# Altium PCB BusAdaptor - 副本.PcbDoc (continued)
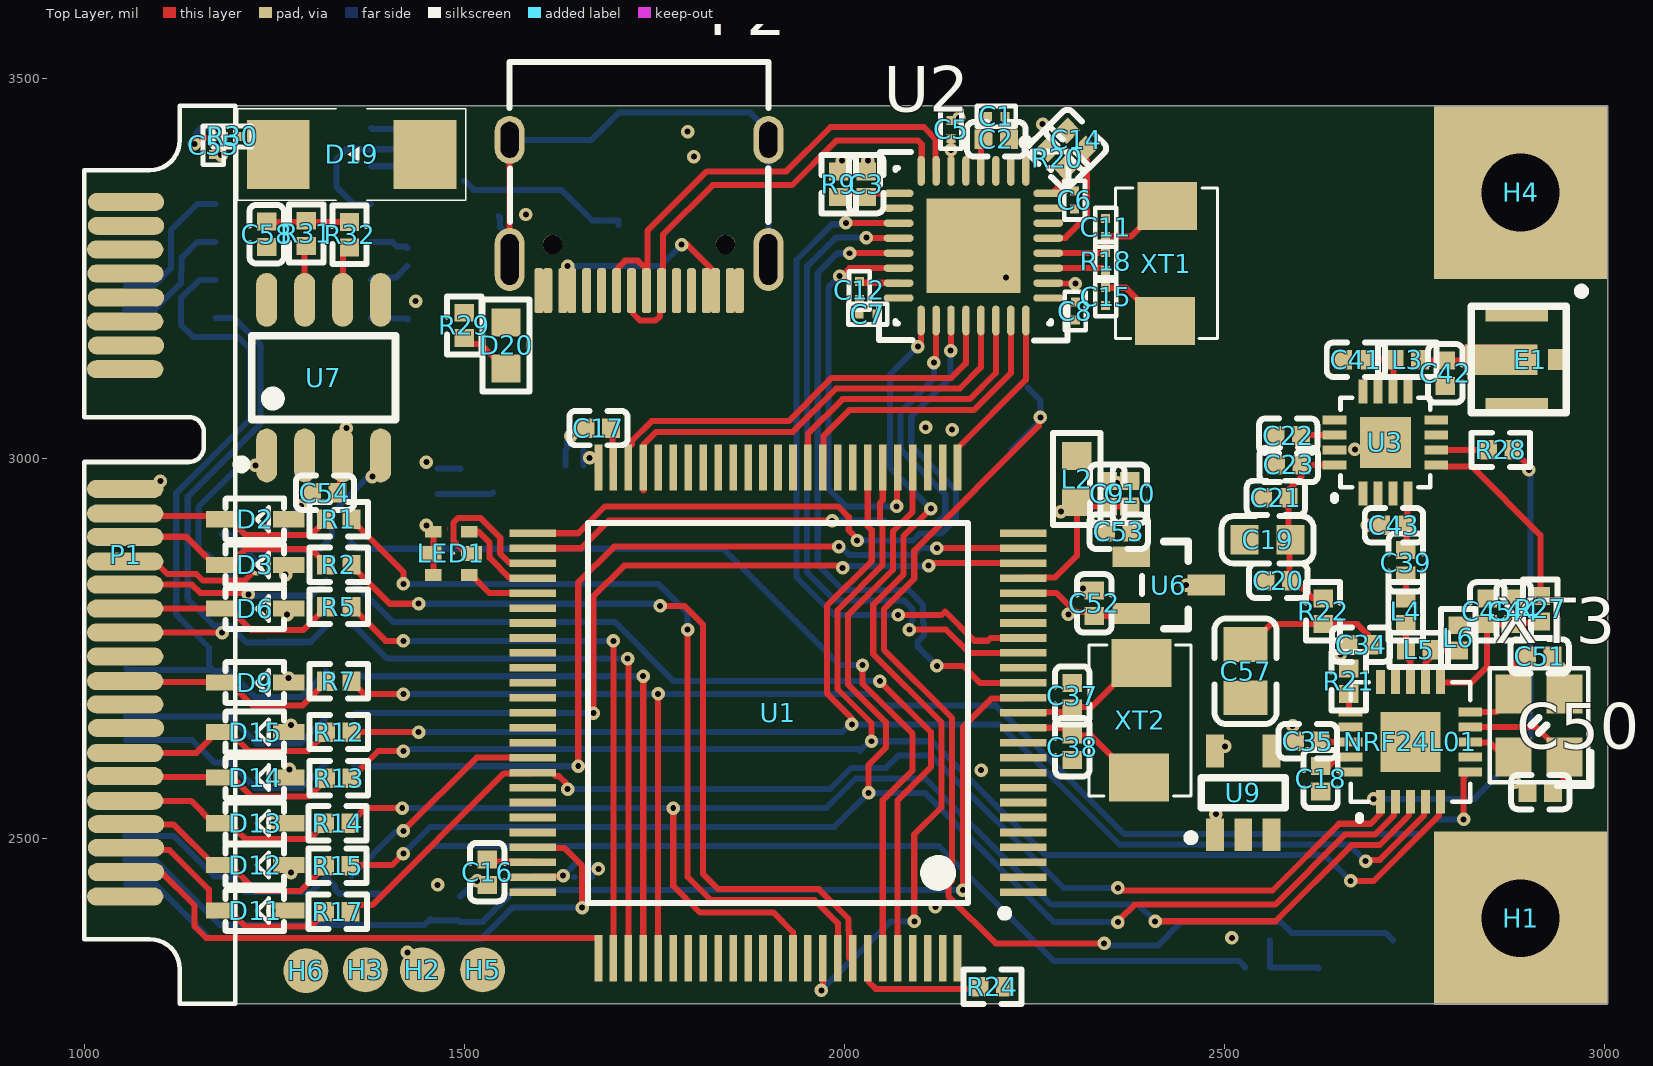
[diagram p0: Top Layer view]
## Footprints (in the part's own frame and the unit in brackets; to place one, negate y for a bottom-side part, rotate by r counter-clockwise, add the part's x,y. Pads: shape width x height; smd on the part's side, far side on the other; paste and mask are expansions set on the pad) (continued)
SMB [mm]
  rect 2.1x2.3 smd: 1(-2.45,0) 2(2.45,0)
  Top Layer region: -0.254,-0.254 -0.127,-0.254 -0.254,-0.254
  Top Layer pour cut-out: 1.524,2.159
  silkscreen extent -3.81,-1.52 3.81,1.52, body extent -2.8,-2 2.8,2, height 0.25
SOD323 [mm]
  rect 1.06x0.54 smd: 1(-1.118,0) 2(1.118,0)
  silkscreen extent -0.97,-0.69 0.99,0.69, body extent -1.35,-0.62 1.35,0.64, height 1.1
SOD-123FL [mm] "SODFL, 2-Leads, Body 1.80x3.70mm, IPC Medium Density"
  rect 1.25x1.2 smd: 1(-1.525,0) 2(1.525,0)
  silkscreen extent -2.1,-0.41 -0.18,0.95, body extent -1.45,-0.95 1.45,0.95, height 1.1
SOIC-8_150mil [mm]
  oval 0.7x1.8 smd: 1(-1.905,-2.6) 2(-0.635,-2.6) 3(0.635,-2.6) 4(1.905,-2.6) 5(1.905,2.6) 6(0.635,2.6) 7(-0.635,2.6) 8(-1.905,2.6)
  silkscreen extent -2.9,-3.05 2.4,1.4
SOIC-16_150mil [mm]
  oval 0.6x1.8 smd: 1(-4.445,-2.6) 2(-3.175,-2.6) 3(-1.905,-2.6) 4(-0.635,-2.6) 5(0.635,-2.6) 6(1.905,-2.6) 7(3.175,-2.6) 8(4.445,-2.6) 9(4.445,2.6) 10(3.175,2.6) 11(1.905,2.6) 12(0.635,2.6) 13(-0.635,2.6) 14(-1.905,2.6) 15(-3.175,2.6) 16(-4.445,2.6)
  silkscreen extent -5.4,-3.05 4.97,1.4
SOT-23(SOT-23-3) [mm]
  rect 1.25x0.7 smd: 1(1.25,-0.95) 2(1.25,0.95) 3(-1.25,0)
  silkscreen extent -0.65,-1.46 0.9,1.46, body extent -1.5,-1.5 1.5,1.5, height 1.3
SOT-23-5 [mm]
  rect 1.1x0.6 smd: 1(1.4,-0.95) 2(1.4,0) 3(1.4,0.95) 4(-1.4,0.95) 5(-1.4,-0.95)
  silkscreen extent -0.5,-1.87 1.62,1.4
TESTPOINT [mm]
  round 1.5 smd: 1(0,0)
TQFP-100 [mm]
  rect 1.55x0.254 smd: 1(-8.2,6) 2(-8.2,5.5) 3(-8.2,5) 4(-8.2,4.5) 5(-8.2,4) 6(-8.2,3.5) 7(-8.2,3) 8(-8.2,2.5) 9(-8.2,2) 10(-8.2,1.5) 11(-8.2,1) 12(-8.2,0.5) 13(-8.2,0) 14(-8.2,-0.5) 15(-8.2,-1) 16(-8.2,-1.5) 17(-8.2,-2) 18(-8.2,-2.5) 19(-8.2,-3) 20(-8.2,-3.5) 21(-8.2,-4) 22(-8.2,-4.5) 23(-8.2,-5) 24(-8.2,-5.5) 25(-8.2,-6) 51(8.2,-6) 52(8.2,-5.5) 53(8.2,-5) 54(8.2,-4.5) 55(8.2,-4) 56(8.2,-3.5) 57(8.2,-3) 58(8.2,-2.5) 59(8.2,-2) 60(8.2,-1.5) 61(8.2,-1) 62(8.2,-0.5) 63(8.2,0) 64(8.2,0.5) 65(8.2,1) 66(8.2,1.5) 67(8.2,2) 68(8.2,2.5) 69(8.2,3) 70(8.2,3.5) 71(8.2,4) 72(8.2,4.5) 73(8.2,5) 74(8.2,5.5) 75(8.2,6)
  rect 0.254x1.55 smd: 26(-6,-8.2) 27(-5.5,-8.2) 28(-5,-8.2) 29(-4.5,-8.2) 30(-4,-8.2) 31(-3.5,-8.2) 32(-3,-8.2) 33(-2.5,-8.2) 34(-2,-8.2) 35(-1.5,-8.2) 36(-1,-8.2) 37(-0.5,-8.2) 38(0,-8.2) 39(0.5,-8.2) 40(1,-8.2) 41(1.5,-8.2) 42(2,-8.2) 43(2.5,-8.2) 44(3,-8.2) 45(3.5,-8.2) 46(4,-8.2) 47(4.5,-8.2) 48(5,-8.2) 49(5.5,-8.2) 50(6,-8.2) 76(6,8.2) 77(5.5,8.2) 78(5,8.2) 79(4.5,8.2) 80(4,8.2) 81(3.5,8.2) 82(3,8.2) 83(2.5,8.2) 84(2,8.2) 85(1.5,8.2) 86(1,8.2) 87(0.5,8.2) 88(0,8.2) 89(-0.5,8.2) 90(-1,8.2) 91(-1.5,8.2) 92(-2,8.2) 93(-2.5,8.2) 94(-3,8.2) 95(-3.5,8.2) 96(-4,8.2) 97(-4.5,8.2) 98(-5,8.2) 99(-5.5,8.2) 100(-6,8.2)
  silkscreen extent -7.7,-6.35 6.35,6.82, body extent -7.92,-7.98 8.08,8.02, height 1.6
TYPE-C-TOP [mm]
  oval 1.6x1 hole 0.6 slot 1.2 at 0 deg: 1(2.52,4.325) 2(2.52,-4.325)
  oval 2.1x1 hole 0.6 slot 1.7 at 0 deg: 3(-1.48,-4.325) 4(-1.48,4.325)
  rrect50% 1.5x0.3 smd: A1(-2.52,-3.35) A4(-2.52,-2.55) A5(-2.52,-1.25) A6(-2.52,-0.25) A7(-2.52,0.25) A8(-2.52,1.25) A9(-2.52,2.55) A12(-2.52,3.35) B1(-2.52,3.05) B4(-2.52,2.25) B5(-2.52,1.75) B6(-2.52,0.75) B7(-2.52,-0.75) B8(-2.52,-1.75) B9(-2.52,-2.25) B12(-2.52,-3.05)
  round 0.65 hole 0.65: ""(-0.98,2.89) ""(-0.98,-2.89)
  silkscreen extent -0.22,-4.33 5.12,4.33, body extent -2.64,-4.48 5.26,4.46, height 3.28

## Part data
Buzzer1: "无源蜂鸣器"
C1 C2 C3 C4 C5 C6 C7 C8 C9 C10 C11 C12 C13 C14 C15 C16 C17 C18 C19 C20 C21 C22 C23 C24 C25 C26 C27 C28 C29 C30 C31 C32 C33 C34 C35 C36 C37 C38 C39 C40 C41 C42 C43 C44 C45 C46 C47 C48 C49 C50 C51 C52 C53 C54 C55 C56 C57 C58 C59 C60 C61: library part C
D1 D19: library part TVS, "BV03CW"
D2 D3 D4 D5 D6 D7 D8 D9 D10 D11 D12 D13 D14 D15 D16 D17: library part TVS
D18: library part Diode, "二极管", Package=SMA(DO-214AC), SuppliersPartNumber=C95872, ComponentLink1Description=供应商, ComponentLink1URL=http://www.szlcsc.com/product/details_2841.html, Supplier=LC, 备注="1N4007 4007 编号C2464 已经停售, 使用新"
E1: "Generic Antenna", LatestRevisionDate=17-Jul-2002, LatestRevisionNote="Re-released for DXP Platform.", PackageReference=PIN1, Published=24-Mar-1999, Publisher="Altium Limited"
F1: library part FUSE, "FUSE"
H1 H4: library part MECHANICAL
H2 H3 H5 H6: library part TEST_POINT
L1 L2 L3 L4 L5 L6: library part L
LED1: library part "LED-RGB 3528", "3528三基色LED"
P2: library part USB_C
R1 R2 R3 R4 R5 R6 R7 R8 R9 R10 R11 R12 R13 R14 R15 R16 R17 R18 R19 R20 R21 R22 R23 R24 R25 R26 R27 R28 R29 R30 R31 R32: library part R, "resistor"
T1: library part Triode, "NPN"
U1: "ARM Cortex-M4 32b MCU+FPU, 1024 kB Flash, 192+4 kB RAM,82 I/Os, 100-pin LQFP", Operating Frequency (Processor Speed)=168MHz, 16-bit Timers (IC/OC/PWM)=12x16-bit(24/24/30), 32-bit Timer (IC/OC/PWM)="2x32-bit (8/8/8)", A/D Converter=16x12-bit, ComponentLink1Description="Manufacturer URL", ComponentLink1URL=http://www.st.com/, ComponentLink2Description="STM32F405/7 Datasheet", ComponentLink2URL=http://www.st.com/internet/com/TECHNICAL_RESOURCES/TECHNICAL_LITERATURE/DATASHEET/DM00037051.pdf, ComponentLink3Description="STM32F4 Web Page", ComponentLink3URL=http://www.st.com/internet/mcu/subclass/1521.jsp, D/A Converter=2x12-bit, DatasheetVersion="rev2, Jan-2012", Internal RAM=192kB, Other Timer Functions="2xWDG, RTC, 24-bit down counter", PackageDescription="100-Pin Low Profile Quad Flat Package, 14x14 mm Body, 0.5 mm Pitch", PackageReference=LQFP100, PackageVersion=2012, Serial Interface="3xSPI/2xI2S/2xI2C/3xUSART(IrDa, ISO7816)/3xUART/2xUSB OTG FS/HS, 2xCAN/Ethernet MAC10/100, SDIO"
U2: library part USB3300, "高速USB外置PHY"
U5: library part ME6211
U6: "REF3033电压参考源"
U8: library part RS3232
XT1 XT2: library part XTAL, "晶振"
XT3: library part XTAL-4P, "4脚无源晶振"

## Via types
v1: diameter 17.72, hole 7.87, Top Layer to Bottom Layer, 114 vias

## Nets (pads, with @x,y where several pads share a name; then routed paths per layer and width w, separated by ;. In a path a pad name is that pad's centre, name@x,y a point inside that pad or via, vN(x,y) a via of type N, cw(c..) or ccw(c..) an arc to the next point about the centre after c; other vN are vias at no path point)
3.3V: Buzzer1.1 C3.2 C5.2 C6.2 C7.2 C8.2 C24.2 C25.2 C26.2 C27.2 C28.2 C29.2 C30.2 C31.2 C32.2 C33.2 C36.2 C46.2 C47.2 C54.1 D18.2 D19.2 H2.1 L2.2 LED1.2 LED1.4 LED1.6 P1.3 P1.4 P1.51 R26.1 R30.2 U1.6 U1.11 U1.19 U1.28 U1.50 U1.75 U1.100 U2.6 U2.16 U2.25 U2.30 U2.31 U5.5 U7.3 | length 265.2
  Top Layer w8: C54.1 1336.73,2958.27 1336.73,3000.71 U7.3 ; LED1.6 LED1.2 ; U1.50@1675.61,2991.94 1676.61,2990.94 U1.50 ; U2.6 C5.2
  Bottom Layer w8: C46.2 1535.98,2953.27 U5.5 ; C29.2 C28.2 ; C24.2 C25.2
  other v1: 1425,2350 1465,2438.97 1676.46,2460 1450,2912 1665,3000.71 1345,3040 2107,3041 2030.94,3392 2140.47,3406
3.3VA: C9.1 C10.1 L2.1 U1.22 | length 225.5
  Top Layer w8: U1.22 2236.67,2843.48 2277.48,2843.48 2306,2872 L2.1 2311.74,2936.86 C9.1 C10.1
  other v1: 2285,2930
3.3VPA: C19.2 C20.2 C21.2 C22.2 C23.2 R22.1 U3.14 U3.16 | length 363.6
  Top Layer w8: C19.2 2585.72,2894.6 2584.73,2894.6 C21.2 2584.73,2948.98 2586.24,2950.49 2586.24,2960.24 2601.73,2975.73 C23.2 ; R22.1 2617.27,2815.46 C20.2@2594.22,2838.51 ; U3.16 C23.2 ; U3.14 2602.57,3030.84 2601.27,3029.53 2601.27,2991.94 C23.2 ; C20.2@2594.22,2838.51 2585.72,2847.02 2585.72,2877.58 2586.04,2847.08 2590.94,2842.28 2594.22,2839.07 C20.2@2594.22,2838.51
3.3VREF: C52.2 U1.21 U6.2 | length 156
  Top Layer w8: U1.21 2279.47,2822.8 2304.2,2798.06 2323.48,2798.06 C52.2 2374.46,2792.54 U6.2
  other v1: 2295,2794.81
3.3VRF: C34.2 C35.2 C57.2 NRF24L01.7 NRF24L01.15 NRF24L01.18 R22.2 U9.5 | length 243.9
  Top Layer w8: C57.2 2534.1,2755.04 2561.06,2782 R22.2 2630,2788.97 2636.97,2782 2675.02,2782 2688.92,2768.09 2688.92,2762.81 C34.2 ; C35.2 2627.59,2627 NRF24L01.18
  other v1: 2501,2621
5V: C1.1 C2.1 C48.2 C49.2 C53.2 D1.2 D20.2 L1.1 P1.1 P1.2 U2.4 U5.1 U5.3 U6.1 U9.1 U9.3 | length 75
  Top Layer w8: U2.4 2179.84,3441.65 C1.1
  other v1: 2489,2532
232RX: P1.10 U8.13 | length 174.9
  Bottom Layer w8: P1.10 1093.01,3196.13 1127.2,3230.33 1127.2,3244.03 1128.04,3244.87 1128.04,3264.03 1149.02,3285 U8.13
232TX: P1.8 U8.14 | length 191.5
  Bottom Layer w8: P1.8 1091.31,3227.35 1114.04,3250.09 1114.04,3300.03 1149.02,3335 U8.14
GND: C1.2 C2.2 C4.1 C5.1 C6.1 C7.1 C8.1 C9.2 C10.2 C11.1 C12.1 C13.1 C14.1 C15.1 C16.1 C17.1 C18.2 C19.1 C20.1 C21.1 C22.1 C23.1 C24.1 C25.1 C26.1 C27.1 C28.1 C29.1 C30.1 C31.1 C32.1 C33.1 C34.1 C35.1 C36.1 C37.1 C38.1 C40.1 C41.1 C42.1 C43.1 C44.1 C45.1 C46.1 C47.1 C48.1 C49.1 C50.1 C51.1 C52.1 C53.1 C54.2 C55.2 C56.2 C57.1 C58.1 C59.2 D1.1 D2.1 D3.1 D4.1 D5.1 D6.1 D7.1 D8.1 D9.1 D10.1 D11.1 D12.1 D13.1 D14.1 D15.1 D16.1 D17.1 D19.1 E1.2 H5.1 NRF24L01.0 NRF24L01.8 NRF24L01.14 NRF24L01.17 NRF24L01.20 P1.5 P1.6 P1.17 P2.A1 P2.A12 P2.B1 P2.B12 R9.2 R16.1 R20.1 R21.2 R24.1 R25.2 R29.1 T1.2 U1.10 U1.20 U1.27 U1.74 U1.99 U2.0 U2.1 U2.2 U3.0 U3.1 U3.2 U3.3 U3.7 U3.8 U3.9 U3.11 U3.12 U3.15 U5.2 U6.3 U7.2 U7.8 U8.15 U9.2 XT3.2 XT3.4 | length 572.7
  Top Layer w8: U7.2 1293.74,3000.23 1293.74,2961.26 C54.2 ; U1.74 1591,2449.78 1628.8,2449.78 v1(1630,2450.98) ; C1.2 2213.72,3448.09 2213.72,3423.02 C2.2 ; C53.1 C53.1@2350.69,2909.97 ; v1(2590,2648) 2591.63,2646.37 2591.63,2629.49 C35.1 ; v1(2653,2742) 2653,2743.75 2663.27,2754.02 C34.1 ; NRF24L01.8 2824.29,2626.47 2849.47,2626.47 XT3.4@2868.55,2607.39 ; v1(2882,2574) v1@2882,2578.29 ; C50.1 v1@2882,2578.29 ; C51.1 2931.73,2738.45 2941.14,2729.04 2941.14,2724.86 v1(2943,2723) 2943,2694.6 XT3.2 ; XT3.4@2868.55,2607.39 XT3.4@2880.6,2595.34 ; XT3.4@2868.55,2607.39 XT3.4 ; XT3.4@2880.6,2595.34 XT3.4 ; XT3.4@2880.6,2595.34 2880.6,2579.69 v1@2882,2578.29 ; XT3.4@2880.6,2595.34 XT3.4@2882,2593.94 ; XT3.4 2882,2606 XT3.4@2882,2593.94 ; v1@2882,2578.29 XT3.4@2882,2593.94
  Bottom Layer w8: D4.1 1265,2904 1265,2917.73 v1(1285,2937.73) ; C46.1 1465.13,2986.61 1494.87,2986.61 C47.1 ; C40.1 1495.28,2423.73 1515.55,2444 v1(1517,2444) ; v1(1630,2450.98) 1630.49,2450.98 C25.1 ; C29.1 C28.1 1635.09,3013.11 1635.09,3022 1640,3026.9 v1(1640,3029.53) ; C24.1 C24.1@1644.76,2449.02
  other v1: 2510,2369 1248,2405 2119.94,2410 1272,2455 1248,2520.98 2180,2590 1270,2591 1272,2649 1269,2711 1267,2794.41 2314,2829 2450,2833.18 1265,2847.16 2687.86,2912 2359,2968 1100,2970 1450,2995 2672,3012 2142,3038 1436,3207 2213,3237.99 1581,3321 1997.28,3392 1802,3397 1180,3399 1794,3430 2261,3440 2151,3448
LED_B: LED1.5 U1.55 | length 93.2
  Top Layer w8: LED1.5 1509.57,2846.46 1533.24,2822.8 U1.55
LED_G: LED1.3 U1.53 | length 198
  Top Layer w8: LED1.3 1502.32,2875 1485.8,2891.53 1485.8,2915.56 1491.65,2921.42 1521.59,2921.42 1547.35,2895.65 1547.35,2874.84 1560.03,2862.16 U1.53
LED_R: LED1.1 U1.54 | length 120.4
  Top Layer w8: LED1.1 1518.8,2903.54 1533.35,2888.98 1533.35,2869.04 1559.92,2842.48 U1.54
NetBuzzer1_2: Buzzer1.2 D18.1 T1.3 | length 1485.9
  Top Layer w8: v1(2258,3054) 2256.14,3052.14 2256.14,3042.81 2092.14,2878.81 2092.14,2841.81 2052.14,2801.81 2052.14,2748.33 2142,2658.47 2142,2444.67 2137.14,2439.81 2137.14,2424.19 2199.33,2362 v1(2342,2362)
  Bottom Layer w8: D18.1 2220.94,3012 2256.14,3047.2 2256.14,3052.14 v1(2258,3054) 2258,3076.64 Buzzer1.2 ; v1@2348,2359 2412.25,2359 2443.05,2389.8 2574.69,2389.8 2588.7,2375.78 2712.43,2375.78 T1.3
NetC3_1: C3.1 R9.1 U2.9 | length 80.5
  Top Layer w8: R9.1 1997.28,3348.55 2071.22,3348.55 U2.9
NetC4_2: C4.2 P2.1 P2.2 P2.3 P2.4 R16.2 | length 755.7
  Top Layer w8: P2.4 P2.1
  Bottom Layer w8: R16.2 1547.09,3317.09 1547.09,3304.5 1559.72,3291.87 P2.4 ; P2.1 1667.61,3419.21 1703.84,3455.43 1875.87,3455.43 1900.28,3431.02 P2.2 P2.3
NetC11_2: C11.2 R18.2 U2.28 XT1.2 | length 194.6
  Top Layer w8: U2.28 2268.78,3270.51 2343.35,3270.51 R18.2 C11.2 2377.5,3292.38 2417.13,3332 XT1.2
NetC12_2: C12.2 U2.15 | length 52.4
  Top Layer w8: C12.2 2021.67,3231.14 2071.22,3231.14 U2.15
NetC13_2: C13.2 U2.26 | length 83.6
  Top Layer w8: U2.26 2268.78,3230.43 2303.77,3230.43 v1(2304.2,3230)
  Bottom Layer w8: C13.2 v1(2304.2,3230)
NetC14_2: C14.2 U2.29 | length 153.1
  Top Layer w8: U2.29 2268.78,3290.2 2290.96,3290.2 2319.23,3318.47 2319.23,3392.54 2316.14,3395.64 2316.14,3406.69 C14.2
NetC15_2: C15.2 R18.1 U2.27 XT1.1 | length 195.8
  Top Layer w8: U2.27 2341.06,3250.47 R18.1 C15.2 2370.5,3224.62 2414.13,3181 XT1.1
NetC16_2: C16.2 U1.73 | length 61.6
  Top Layer w8: C16.2 1532.97,2469.46 1589,2469.46 U1.73
NetC17_2: C17.2 U1.49 | length 53.1
  Top Layer w8: C17.2 1695.3,3038.05 1695.3,2989.15 U1.49
NetC18_1: C18.1 NRF24L01.19 | length 44.7
  Top Layer w8: C18.1 2637.86,2595 2648.27,2605.41 2664.38,2605.41 NRF24L01.19
NetC37_2: C37.2 U1.13 XT2.1 | length 182.5
  Top Layer w8: U1.13 2236.67,2666.32 2295.05,2666.32 2301.4,2672.67 2324.8,2672.67 2383.13,2731 XT2.1
NetC38_2: C38.2 U1.12 XT2.2 | length 179.5
  Top Layer w8: U1.12 2290.12,2645.63 2299.02,2636.73 C38.2 2301.4,2635.33 2324.8,2635.33 2380.13,2580 XT2.2
NetC39_1: C39.1 C43.2 U3.4 | length 75.4
  Top Layer w8: C39.1 2740.02,2880.73 C43.2 2740.79,2912.76 2740.79,2953.31 U3.4
NetC39_2: C39.2 L4.2 | length 30.8
  Top Layer w8: L4.2 C39.2
NetC41_2: C41.2 L3.1 U3.10 | length 74.8
  Top Layer w8: C41.2 2721.87,3130 2722.95,3128.92 2722.95,3089.01 U3.10
NetC42_2: C42.2 E1.1 L3.2 | length 108.6
  Top Layer w8: L3.2 2758.76,3128.73 C42.2 2863.73,3128.73 E1.1
NetC44_2: C44.2 C45.2 L6.2 NRF24L01.11 R27.2 | length 236.6
  Top Layer w8: NRF24L01.11 2785.13,2705 2825,2705 2846.02,2726.02 C45.2@2846.02,2781.24 ; L6.2 2808.76,2781.24 C45.2@2846.02,2781.24 ; C45.2 C45.2@2846.02,2781.24 ; R27.2 2914.39,2783.63 2882.66,2783.63 C44.2 2880.26,2781.24 C45.2@2846.02,2781.24
NetC50_2: C50.2 NRF24L01.9 XT3.1 | length 193.7
  Top Layer w8: NRF24L01.9 2910.21,2646.68 2947.53,2609.36 XT3.1 2946.77,2606.63 2946.77,2576 2932.76,2561.98 C50.2
NetC51_2: C51.2 NRF24L01.10 XT3.3 | length 140.3
  Top Layer w8: NRF24L01.10 2858.87,2666.37 2880.6,2688.1 XT3.3 2871,2699.67 2882,2710.67 2879.99,2710.67 2879,2711.66 2879,2726.31 2891.14,2738.45 2898.27,2738.45 C51.2
NetC55_1: C55.1 R30.1 U8.16 | length 85.5
  Top Layer w8: v1(1145,3414) 1147.63,3414 1155.35,3421.72 1168.09,3421.72 C55.1 R30.1
  Bottom Layer w8: v1(1145,3414) 1146.86,3415.86 1146.86,3427.78 1154.08,3435 U8.16
NetC56_1: C56.1 U8.2 | length 52.2
  Bottom Layer w8: U8.2 1377.86,3384.5 1428.69,3384.5 C56.1
NetC58_2: C58.2 R31.1 R32.1 | length 109.3
  Top Layer w8: C58.2 1240.37,3311.37 1348.63,3311.37 R32.1
NetC59_1: C59.1 U8.6 | length 49.4
  Bottom Layer w8: U8.6 1378.27,3184.09 1425.09,3184.09 C59.1
NetC60_1: C60.1 U8.3 | length 185.6
  Bottom Layer w8: U8.3 1353.74,3335 1331.93,3356.81 1331.93,3394.03 1344.71,3406.81 1418.62,3406.81 C60.1
NetC60_2: C60.2 U8.1 | length 44
  Bottom Layer w8: U8.1 1378.96,3433.41 1418.41,3433.41 C60.2
NetC61_1: C61.1 U8.5 | length 55.2
  Bottom Layer w8: U8.5 1380.35,3237.99 1409.8,3237.99 C61.1
NetC61_2: C61.2 U8.4 | length 51
  Bottom Layer w8: U8.4 1405.21,3285 1411.5,3278.72 1423.09,3278.72 C61.2
NetD20_1: D20.1 R29.2 | length 71.6
  Top Layer w8: R29.2 1507.81,3150.46 1521.86,3150.46 1554.02,3118.3 D20.1
NetF1_1: F1.1 L1.2 | length 230.7
  Bottom Layer w8: L1.2 1500.98,3365.32 1513.3,3353 1628.2,3353 1668.13,3313.07 1702.96,3313.07 F1.1
NetF1_2: F1.2 P2.A4 P2.A9 P2.B4 P2.B9 | length 245.1
  Top Layer w8: v1(1786,3281.42) 1793.39,3281.42 1830.39,3244.41 P2.A4
  Bottom Layer w8: v1(1636,3253) 1757.58,3253 v1(1786,3281.42)
NetL4_1: L4.1 L5.2 NRF24L01.13 | length 78.7
  Top Layer w8: L4.1 2739.29,2781.73 L5.2 2739.29,2739 2745.02,2733.27 NRF24L01.13
NetL5_1: L5.1 L6.1 NRF24L01.12 | length 81.2
  Top Layer w8: NRF24L01.12 2764.71,2730.95 2772.76,2739 L5.1 2773.75,2747.01 L6.1
NetNRF24L01_16: NRF24L01.16 R21.1 | length 24.8
  Top Layer w8: R21.1 2664.38,2689.89 2664.38,2668.27 NRF24L01.16
NetR20_2: R20.2 U2.32 | length 46.9
  Top Layer w8: U2.32 2273.45,3348.9 2291.83,3367.28 R20.2
NetR23_2: R23.2 R25.1 T1.1 | length 100
  Bottom Layer w8: R25.1 2560.23,2365.5 2560.23,2330.5 R23.2 2622.39,2330 T1.1
NetR24_2: R24.2 U1.94 | length 182.9
  Top Layer w8: U1.94 2031.94,2341.48 2031.94,2311.51 2041.49,2301.97 2175.24,2301.97 R24.2
NetR27_1: R27.1 U3.5 | length 255.6
  Top Layer w8: U3.5 2788.8,2991.47 2790.7,2989.57 2825.43,2989.57 2916.02,2898.98 R27.1
NetR28_2: R28.2 U3.6 | length 68.4
  Top Layer w8: U3.6 R28.2
NetR31_2: R31.2 U7.7 | length 71.4
  Top Layer w8: U7.7 1290,3277.27 R31.2
NetR32_2: R32.2 U7.6 | length 73.1
  Top Layer w8: U7.6 1340.2,3208.91 1340.2,3269.72 1348.02,3277.54 R32.2
NRST: C40.2 P1.48 R26.2 U1.14 | length 1469.6
  Top Layer w8: v1(2156,2432) 2156,2646.5 2193.5,2684 2234.67,2684 U1.14
  Bottom Layer w8: P1.48 1092.46,2471.72 1178.04,2386.14 1447.4,2386.14 R26.2 1456.74,2392 1492.56,2392 C40.2 1524.52,2390.27 1566.25,2432 v1(2156,2432)
P0: D2.2 P1.19 R1.1 | length 285.2
  Top Layer w8: P1.19 1056.83,2924.44 1176.56,2924.44 D2.2 1191.24,2920 1211.87,2899.37 1298.62,2899.37 1318.27,2919.02 R1.1
P1: D3.2 P1.21 R2.1 | length 297.4
  Top Layer w8: P1.21 1134.08,2896.92 1169.08,2861.92 1179.08,2861.92 D3.2 1191.24,2860 1211.87,2880.63 1298.62,2880.63 1318.27,2860.98 R2.1
P2: D4.2 P1.23 R3.1 U7.4 | length 487.6
  Top Layer w8: P1.23 1092.88,2864.44 1109.39,2847.92 1147.44,2847.92 1155.99,2839.37 1211.37,2839.37 v1(1227,2855)
  Bottom Layer w8: D4.2 1191.24,2900 1211.87,2879.37 ; v1(1227,2855) 1225.14,2856.86 1225.14,2866.1 1211.87,2879.37 ; v1(1379,2976) 1376.5,2978.5 1326.08,2928.08 1326.08,2897.81 R3.1 1318.27,2889.02 1310.46,2881.2 1295.84,2881.2 1294.01,2879.37 1211.87,2879.37
P3: D5.2 P1.25 R4.1 U7.1 | length 503
  Top Layer w8: P1.25 1141.64,2833.92 1152.5,2823.06 1206.01,2823.06
  Bottom Layer w8: v1@1216,2819.37 1298.62,2819.37 1318.27,2839.02 R4.1 ; v1(1216,2821) 1163.39,2873.61 1156.75,2873.61 1150.13,2880.23 1150.13,2936.13 1205,2991 1216,2991
  other v1: 1225,2991
P4: D6.2 P1.27 R5.1 | length 289.6
  Top Layer w8: P1.27 D6.2 1191.24,2802.43 1205.5,2788.17 1209.18,2784.49 1219.67,2774 1288.25,2774 1318.27,2804.02 R5.1
P5: D7.2 P1.29 R6.1 U8.11 | length 848.4
  Top Layer w8: P1.29 v1(1181.26,2770.93)
  Bottom Layer w8: U8.11 1196.9,3185 1232.07,3149.83 1232.07,3100.59 1232.07,3045.63 1136.13,2949.7 1136.13,2814.63 1170.76,2780 D7.2 1191.24,2780 1213.24,2758 1297.25,2758 1298.62,2759.37 ; 1241.84,2759.37 1298.62,2759.37 ; R6.1 1318.27,2779.02 1298.62,2759.37
P6: D8.2 P1.32 R8.1 U8.12 | length 970.3
  Bottom Layer w8: P1.32 1057.17,2721.65 D8.2@1169.12,2721.65 ; U8.12 1151.68,3235 1127.2,3210.53 1127.2,3175.97 1143.17,3160 1202.11,3160 1218.07,3144.03 1218.07,3094.8 1218.07,3051.43 1121,2954.36 1121,2794.36 1164.13,2751.23 1164.13,2726.63 D8.2@1169.12,2721.65 ; D8.2 1170.76,2720 D8.2@1169.12,2721.65 ; D8.2@1181,2721.65 1189.59,2721.65 1225.24,2686 1285.25,2686 1318.27,2719.02 R8.1
P7: D9.2 P1.33 R7.1 | length 291.5
  Top Layer w8: P1.33 1054.82,2705.98 1180.02,2705.98 D9.2 1191.24,2705 1221.24,2675 1287.3,2675 1318.27,2705.97 R7.1
P8: D17.2 P1.36 R11.1 | length 293
  Bottom Layer w8: P1.36 D17.2 1191.24,2660.42 1226.66,2625 1284.25,2625 1318.27,2659.02 R11.1
P9: D16.2 P1.38 R10.1 | length 303.8
  Bottom Layer w8: P1.38 1141.53,2629.47 1171,2600 D16.2 1191.24,2600 1224.76,2566.48 1285.73,2566.48 1318.27,2599.02 R10.1
P10: D15.2 P1.39 R12.1 | length 297.1
  Top Layer w8: P1.39 1147.47,2612.47 1175,2640 D15.2 1191.24,2640 1216.24,2615 1294.25,2615 1318.27,2639.02 R12.1
P11: D14.2 P1.41 R13.1 | length 282.1
  Top Layer w8: P1.41 1054.82,2580.98 1180.02,2580.98 D14.2 ; D14.2@1185,2580 1195.24,2580 1220.24,2555 1295.18,2555 1318.27,2578.09 R13.1
P12: D13.2 P1.43 R14.1 | length 292.6
  Top Layer w8: P1.43 1140.51,2549.48 1169.98,2520 D13.2 1191.24,2520 1211.87,2499.37 1296.89,2499.37 1316.54,2519.02 R14.1
P13: D12.2 P1.45 R15.1 | length 312.4
  Top Layer w8: P1.45 1055.13,2518.57 1117.2,2518.57 1170.76,2465 D12.2 1191.96,2465 1226.33,2430.63 1284.25,2430.63 1316.54,2462.91 R15.1
P14: D11.2 P1.47 R17.1 | length 325.2
  Top Layer w8: P1.47 1091.76,2487.74 1094.75,2484.75 1111.81,2484.75 1164.13,2432.43 1164.13,2411.63 1170.76,2405 1191.24,2405 1211.87,2384.37 1298.72,2384.37 1316.73,2402.39 R17.1
P15: D10.2 P1.46 R19.1 R23.1 | length 1617.9
  Bottom Layer w8: P1.46 1117.47,2503.3 1170.76,2450 D10.2 1191.24,2450 1211.87,2429.37 1298.62,2429.37 1316.12,2446.87 R19.1@1318.27,2449.02 ; R19.1 R19.1@1318.27,2449.02 ; R23.1 2527.27,2330.98 2519.46,2338.8 2275.87,2338.8 2124.67,2490 1456.67,2490 1393.87,2427.2 1335.78,2427.2 1329.92,2433.06 1329.92,2437.36 R19.1@1318.27,2449.02
PA0: R11.2 U1.23 | length 1060.1
  Top Layer w8: v1(1670,2665) 1670,2818.48 1710.52,2859 1995,2859 v1(1998,2856) ; v1(2111,2859) 2113.63,2859 2116.79,2862.17 U1.23
  Bottom Layer w8: R11.2 1356.73,2665 v1(1670,2665) ; v1(1998,2856) 2000.5,2858.5 2110.5,2858.5 v1(2111,2859)
PA1: R10.2 U1.24 | length 1139.2
  Top Layer w8: v1(1650,2595) 1650,2836.92 1697.08,2884 v1(1993,2884) ; v1(2122,2882) 2122.07,2881.93 2219.14,2881.93 U1.24@2219.21,2881.85
  Bottom Layer w8: R10.2 1356.73,2595 v1(1650,2595) ; v1(1993,2884) 1995.63,2884 2006.49,2873.14 2091.41,2873.14 2100.27,2882 v1(2122,2882)
PA4: NRF24L01.2 R15.2 U1.29 | length 2057.3
  Top Layer w8: R15.2 1350,2464.88 1404.88,2464.88 v1(1420,2480) ; v1(2032,2560) 2032,2596.67 2054.72,2619.39 2054.72,2652.81 2005.14,2702.39 2005.14,2794.41 2064.14,2853.41 2064.14,2903.94 2090,2929.8 U1.29 ; v1@2364,2386 2364,2395 2382,2413 2567,2413 2659.29,2505.29 2698.48,2505.29 2723.43,2530.24 2723.43,2546.35 NRF24L01.2
  Bottom Layer w8: v1(1420,2480) 1455,2515 1987,2515 v1(2032,2560) 2105.72,2560 2275.72,2390 v1(2360,2390)
PA6: NRF24L01.5 R13.2 U1.31 | length 1988.4
  Top Layer w8: R13.2 1351.73,2580.06 1386.68,2615 v1(1420,2615) ; v1(2035.86,2627.86) 2035.86,2651.87 1991.14,2696.59 1991.14,2800.21 2050.14,2859.21 2050.14,2911.39 2047.14,2914.39 2047.14,2941.61 2050.63,2945.1 U1.31 ; v1(2666.28,2444) 2696.59,2444 2765.43,2512.85 2765.43,2512.92 2782.49,2529.98 2782.49,2546.35 NRF24L01.5
  Bottom Layer w8: v1@1420,2617.5 2020.37,2617.5 ; 2020.37,2615 2033.23,2627.86 2115.47,2627.86 2265.33,2478 2632.28,2478 v1(2666.28,2444)
PA7: NRF24L01.4 R12.2 U1.32 | length 1916.6
  Top Layer w8: R12.2@1351.73,2636.73 R12.2@1355,2640 ; R12.2 R12.2@1355,2640 ; v1(1440,2640) R12.2@1355,2640 ; v1(2010,2650) 2010,2657.93 1977.14,2690.79 1977.14,2806.01 2036.14,2865.01 2036.14,2905.59 2030.94,2910.79 U1.32 ; v1(2686,2470) 2687.86,2471.86 2704.65,2471.86 2751.43,2518.64 2751.43,2518.72 2762.8,2530.09 2762.8,2546.35 NRF24L01.4
  Bottom Layer w8: v1(1440,2640) 1997.37,2640 2007.37,2650 2204.2,2650 2362.2,2492 2664,2492 v1(2686,2470)
PA8: NRF24L01.1 R17.2 R28.1 U1.67 | length 2219.2
  Top Layer w8: R17.2 1350.2,2404.35 1358.01,2412.17 1378.84,2412.17 1552.24,2585.57 1589,2585.57 U1.67 1615.51,2586.57 1620.2,2581.89 1624.65,2581.89 1634.14,2572.4 1634.14,2566.86 v1(1636,2565) ; v1@2363.5,2431.5 2563.5,2431.5 2651.29,2519.29 2692.68,2519.29 2705.65,2532.26 NRF24L01.1 ; R28.1 2880.8,3010.17 2899.14,2991.83 2899.14,2986.86 v1(2901,2985)
  Bottom Layer w8: v1(1636,2565) 1981.49,2565 2009.35,2592.86 2054.86,2592.86 2071,2609 2114.53,2609 2288.53,2435 v1(2360,2435) ; v1(2696.59,2552) 2829,2552 2903,2626 v1@2903,2985
PA15: R5.2 U1.77 | length 780.6
  Top Layer w8: R5.2 1396.73,2760 v1(1420,2760) ; v1(1696.14,2760) 1696.14,2342.64 U1.77
  Bottom Layer w8: v1(1420,2760) v1(1696.14,2760)
PB3: NRF24L01.3 R14.2 U1.89 | length 1930.7
  Top Layer w8: v1(1418.41,2540) 1370,2540 R14.2@1358.8,2528.8 ; v1(1775,2540) 1775,2437.6 1810.21,2402.39 1906.98,2402.39 1932.52,2376.85 U1.89@1932.52,2367.99 ; v1(2409,2391) 2567.48,2391 2667.77,2491.29 2704.28,2491.29 2737.43,2524.44 2737.43,2524.52 2743.12,2530.21 2743.12,2546.35 NRF24L01.3 ; R14.2@1358.8,2528.8 1357.81,2528.8 1350,2520.98 R14.2 R14.2@1358.8,2528.8 ; U1.89@1932.52,2367.99 1933.52,2366.99 1933.52,2343.48 U1.89 U1.89@1932.52,2367.99
  Bottom Layer w8: v1(1418.41,2540) v1(1775,2540) 1976.29,2540 2015.15,2578.86 2106.66,2578.86 2272.52,2413 2387,2413 v1(2409,2391)
PB6: R1.2 U1.92 | length 1119.1
  Top Layer w8: R1.2 1351.73,2919.02 1420,2850.75 v1(1420,2835) ; v1(1794,2774.86) 1794,2449.21 1824,2419.21 1960.79,2419.21 1991.57,2388.43 U1.92
  Bottom Layer w8: v1(1420,2835) 1755.3,2835 1794,2796.3 v1(1794,2774.86)
PB7: R2.2 U1.93 | length 1096.4
  Top Layer w8: R2.2 1351.73,2859.02 1401.94,2808.81 v1(1440,2808.81) ; v1(1757.62,2806.01) 1789.52,2806.01 1814.41,2781.12 1814.41,2452.95 1834.15,2433.21 1966.59,2433.21 2005.57,2394.22 2005.57,2378.13 2006.57,2377.13 2006.57,2342.48 U1.93
  Bottom Layer w8: v1(1440,2808.81) 1754.82,2808.81 v1(1757.62,2806.01)
PB8: R3.2 U1.95 | length 1169
  Top Layer w8: v1(2024,2728) 2024,2703.33 2089.86,2637.47 2089.86,2589.52 2050.63,2550.29 U1.95
  Bottom Layer w8: R3.2 1351.73,2889.02 1359.54,2881.2 1840.8,2881.2 1994,2728 v1(2024,2728)
PB9: R4.2 U1.96 | length 1161.3
  Top Layer w8: v1(2047,2707) 2114,2640 2114,2593.86 2070.31,2550.17 U1.96
  Bottom Layer w8: R4.2 1351.73,2839.02 1405.75,2785 1697.81,2785 1775.81,2707 v1(2047,2707)
PC9: R19.2 U1.66 | length 303.6
  Top Layer w8: v1(1420,2510) 1516.26,2606.26 U1.66
  Bottom Layer w8: R19.2 1351.73,2450.98 1408.89,2508.14 1418.14,2508.14 v1(1420,2510)
PC10: R6.2 U1.78 | length 775.5
  Top Layer w8: v1@1715,2735 1715.87,2734.13 1715.87,2342.59 U1.78
  Bottom Layer w8: R6.2@1352.73,2781 R6.2 1355.44,2780 1398.73,2736.7 v1(1715,2736.7)
PC11: R8.2 U1.79 | length 1128
  Top Layer w8: v1@1735.67,2713.48 U1.79 1735.52,2342.62 1735.52,2715.92 v1@1735.67,2716.06
  Bottom Layer w8: R8.2@1351.73,2713.41 v1@1735,2713.41
  other v1: 1735.38,2713.48
PC12: NRF24L01.6 R7.2 U1.80 | length 1969.8
  Top Layer w8: R7.2 1368.69,2690 v1(1420,2690) ; v1(1755,2690.22) 1755.18,2690.05 1755.18,2342.66 U1.80 ; v1(2815,2525) 2815,2580.72 2821.91,2587.63 NRF24L01.6
  Bottom Layer w8: v1(1420,2690) 1420.11,2690.11 1754.89,2690.11 v1(1755,2690.22) 2037.11,2690.22 2052.65,2674.68 2199.32,2674.68 2368,2506 2758.51,2506 2777.51,2525 v1(2815,2525)
SWCLK: H6.1 P1.49 U1.76 | length 699.6
  Top Layer w8: P1.49 1101.27,2455.7 1145,2411.97 1145,2384.37 1160.38,2368.99 1675.61,2368.99 1676.61,2367.99 U1.76
SWDIO: H3.1 P1.50 U1.72 | length 777.4
  Top Layer w8: U1.72 1591,2487.15 1632.17,2487.15 1655,2464.32 v1(1655,2409)
  Bottom Layer w8: P1.50 1093.39,2439.95 1164.48,2368.86 1432.81,2368.86 1434.21,2367.46 1521.5,2367.46 1563.05,2409 v1(1655,2409)
USB_CLK: U1.30 U2.14 | length 520.6
  Top Layer w8: v1(1994,3240) 1996.63,3240 2007.1,3250.47 U2.14 ; v1(2068.86,2937) 2069.59,2937.73 2069.59,2987.42 U1.30 U1.30@2071.31,2989.15
  Bottom Layer w8: v1(1994,3240) 1979.14,3225.14 1979.14,2959.86 2002,2937 v1(2068.86,2937)
USB_DATA0: U1.26 U2.24 | length 230.6
  Top Layer w8: U1.26 2149.05,3013.66 2238.9,3103.5 U2.24
USB_DATA1: U1.35 U2.23 | length 391.8
  Top Layer w8: U1.35 1972.89,2989.15 1972.89,3029.73 2007.16,3064 2170.87,3064 2219.21,3112.34 U2.23
USB_DATA2: U1.36 U2.22 | length 393.7
  Top Layer w8: U1.36 1952.2,3032.2 1998,3078 2165.07,3078 2199.53,3112.46 U2.22
USB_DATA3: U1.47 U2.21 | length 608
  Top Layer w8: U1.47@1735.67,2958.18 U1.47 1735.67,3018.12 1752.55,3035 1932.52,3035 1989.52,3092 2152,3092 2179.84,3119.84 U2.21
USB_DATA4: U1.48 U2.20 | length 575
  Top Layer w8: U1.48 1715.98,3013.66 1720.67,3018.35 1720.67,3022.92 1746.75,3049 1926.72,3049 1983.72,3106 2141,3106 2160,3125 2160,3181.42 U2.20
USB_DATA5: U1.51 U2.19 | length 920.5
  Top Layer w8: U1.51 1649.85,2901.54 1685.17,2936.86 1991.81,2936.86 2005.98,2922.69 2005.98,2905.65 2017,2894.63 v1(2017,2892) ; v1(2140,3142) 2140.24,3142.24 2140.24,3181.34 U2.19
  Bottom Layer w8: v1(2017,2892) 2090.47,2892 2099.61,2901.14 2127.61,2901.14 2146.86,2920.39 2146.86,2958.29 2088.14,3017.01 2088.14,3054.91 2140,3106.76 v1(2140,3142)
USB_DATA6: U1.52 U2.18 | length 862.6
  Top Layer w8: U1.52 1653.97,2881.85 1690.12,2918 v1(1984,2918) ; v1(2118,3126) 2118,3128.63 2120.79,3131.42 U2.18
  Bottom Layer w8: v1(1984,2918) 2052.79,2918 2055.65,2915.14 2121.81,2915.14 2132.86,2926.19 2132.86,2952.49 2074.14,3011.21 2074.14,3061.14 2118,3105 v1(2118,3126)
USB_DATA7: U1.91 U2.17 | length 1116.4
  Top Layer w8: v1(1970,2300) 1971.89,2301.89 U1.91 ; v1(2092.14,2391) 2092.14,2505.22 2128,2541.08 2128,2652.67 2038.14,2742.53 2038.14,2807.61 2078.14,2847.61 2078.14,2898.14 v1(2114,2934) ; v1(2097,3147) 2097,3149.63 2100.75,3153.38 2100.75,3181.22 U2.17
  Bottom Layer w8: v1(1970,2300) 2060.5,2390.5 2091.64,2390.5 v1(2092.14,2391) ; v1(2097,3147) 2060.14,3110.14 2060.14,2987.86 v1(2114,2934)
USB_DIR: U1.17 U2.12 | length 889.6
  Top Layer w8: v1(2029,3290.62) 2029.42,3290.2 2071.22,3290.2 U2.12 ; v1(2085.74,2774.86) 2133.86,2774.86 2164.66,2744.05 U1.17
  Bottom Layer w8: v1(2029,3290.62) 1988.62,3290.62 1951.14,3253.14 1951.14,2849.66 1987.94,2812.86 2078.81,2812.86 2089.86,2801.81 2089.86,2786.19 2087.6,2783.93 2087.6,2776.72 v1(2085.74,2774.86)
USB_N: P2.A7 P2.B7 U2.8 | length 610.6
  Top Layer w8: P2.A7 1720.16,3212.45 1722.06,3210.54 1722.06,3190.72 1731.52,3181.26 1751.57,3181.26 1757.62,3187.31 1757.62,3218.88 P2.B7 1761.43,3222.69 1761.43,3294.43 1826.72,3359.72 1931.23,3359.72 1989.65,3418.14 2097.26,3418.14 2101.94,3413.45 2101.94,3395.33 2101.45,3394.84 2101.45,3378.78 U2.8
USB_NXT: U1.18 U2.11 | length 910.6
  Top Layer w8: v1(2002,3310) 2002.24,3309.76 2071.34,3309.76 U2.11 ; v1(2071,2794) 2128.18,2794 2132.76,2798.57 2171.19,2760.14 2188.87,2760.14 2192.47,2763.74 U1.18
  Bottom Layer w8: v1(2002,3310) 2000.14,3308.14 1984.14,3308.14 1937.14,3261.14 1937.14,2843.86 1987,2794 v1(2071,2794)
USB_P: P2.A6 P2.B6 U2.7 | length 669
  Top Layer w8: P2.B6 1702.38,3222.69 1702.38,3250.85 1711.84,3260.32 1728.48,3260.32 1737.94,3250.85 1737.94,3222.69 P2.A6 1740.86,3221.8 1740.86,3299.32 1819.26,3377.72 1923.78,3377.72 1982.2,3436.14 2104.71,3436.14 2119.94,3420.9 2119.94,3395.33 2120.43,3394.84 2120.43,3378.78 U2.7
USB_STP: U1.15 U2.13 | length 879.5
  Top Layer w8: v1(2007,3270) 2007.08,3270.08 2071.5,3270.08 U2.13 ; v1(2122,2727) 2156.24,2727 2178.55,2704.68 U1.15
  Bottom Layer w8: v1(2007,3270) 1991,3270 1965.14,3244.14 1965.14,2859.86 1998.14,2826.86 2084.61,2826.86 2103.86,2807.61 2103.86,2783.41 2104.6,2782.67 2104.6,2767.05 2096.59,2759.04 2096.59,2752.41 v1(2122,2727)
pads on no net: Buzzer1. H1.11 H4.11 P1.7 P1.9 P1.11 P1.12 P1.13 P1.14 P1.15 P1.16 P1.18 P1.20 P1.22 P1.24 P1.26 P1.28 P1.30 P1.31 P1.34 P1.35 P1.37 P1.40 P1.42 P1.44 P1.52 P2. P2.A5 P2.A8 P2.B5 P2.B8 U1.1 U1.2 U1.3 U1.4 U1.5 U1.7 U1.8 U1.9 U1.16 U1.25 U1.33 U1.34 U1.37 U1.38 U1.39 U1.40 U1.41 U1.42 U1.43 U1.44 U1.45 U1.46 U1.56 U1.57 U1.58 U1.59 U1.60 U1.61 U1.62 U1.63 U1.64 U1.65 U1.68 U1.69 U1.70 U1.71 U1.81 U1.82 U1.83 U1.84 U1.85 U1.86 U1.87 U1.88 U1.90 U1.97 U1.98 U2.3 U2.5 U2.10 U3.13 U5.4 U7.5 U8.7 U8.8 U8.9 U8.10 U9.4

## Polygon pours and split planes (outlines as drawn)
GND on GND (split plane): 2984.81,2302.73 1145.79,2302.73 1145.79,2328.07 1145.78,2328.15 1145.41,2334.72 1144.3,2341.3 1142.45,2347.71 1139.9,2353.87 1136.67,2359.7 1132.82,2365.14 1128.37,2370.11 1123.4,2374.56 1117.96,2378.42 1112.12,2381.64 1105.96,2384.19 1099.56,2386.04 1092.98,2387.16 1086.4,2387.53 1086.32,2387.53 1019.81,2387.53 1019.81,2975.29 1137.51,2975.29 1137.86,2975.33 1142.7,2975.64 1147.8,2976.66 1152.73,2978.33 1157.39,2980.63 1161.72,2983.52 1165.63,2986.95 1169.06,2990.86 1171.95,2995.19 1174.25,2999.86 1175.92,3004.78 1176.94,3009.88 1177.25,3014.72 1177.29,3015.08 1177.29,3034.76 1177.25,3035.11 1176.94,3039.95 1175.92,3045.05 1174.25,3049.98 1171.95,3054.65 1169.06,3058.97 1165.63,3062.88 1161.72,3066.31 1157.39,3069.2 1152.73,3071.5 1147.8,3073.18 1142.7,3074.19 1137.86,3074.51 1137.51,3074.54 1019.81,3074.54 1019.81,3359.15 1086.32,3359.15 1086.4,3359.16 1092.98,3359.53 1099.56,3360.65 1105.96,3362.49 1112.12,3365.04 1117.96,3368.27 1123.4,3372.13 1128.37,3376.57 1132.82,3381.54 1136.67,3386.98 1139.9,3392.82 1142.45,3398.98 1144.3,3405.39 1145.41,3411.96 1145.78,3418.54 1145.79,3418.62 1145.79,3443.8 2984.81,3443.8
3.3V on POWER (split plane): 2964.82,2322.72 1165.78,2322.72 1165.78,2328.07 1165.79,2328.07 1165.41,2335.86 1164.26,2343.57 1162.37,2351.13 1159.74,2358.48 1156.41,2365.53 1152.4,2372.22 1147.75,2378.48 1142.52,2384.26 1136.74,2389.5 1130.47,2394.14 1123.78,2398.15 1116.73,2401.48 1109.39,2404.11 1101.83,2406.01 1094.11,2407.15 1086.32,2407.53 1086.32,2407.52 1039.8,2407.52 1039.8,2955.3 1137.51,2955.3 1144.2,2955.67 1150.81,2956.79 1157.25,2958.65 1163.44,2961.22 1169.31,2964.46 1174.78,2968.34 1179.78,2972.8 1184.24,2977.8 1188.12,2983.27 1191.36,2989.14 1193.93,2995.33 1195.79,3001.77 1196.91,3008.38 1197.28,3015.08 1197.28,3034.76 1196.91,3041.45 1195.79,3048.06 1193.93,3054.5 1191.36,3060.7 1188.12,3066.56 1184.24,3072.03 1179.78,3077.03 1174.78,3081.5 1169.31,3085.38 1163.44,3088.62 1157.25,3091.18 1150.81,3093.04 1144.2,3094.16 1137.51,3094.54 1137.51,3094.53 1039.8,3094.53 1039.8,3339.16 1086.32,3339.16 1086.32,3339.15 1094.11,3339.54 1101.83,3340.68 1109.39,3342.57 1116.73,3345.2 1123.78,3348.54 1130.47,3352.55 1136.74,3357.19 1142.52,3362.43 1147.75,3368.21 1152.4,3374.47 1156.41,3381.16 1159.74,3388.21 1162.37,3395.55 1164.26,3403.12 1165.41,3410.83 1165.79,3418.62 1165.78,3418.62 1165.78,3423.81 2964.82,3423.81

## Silkscreen, mask and mechanical layers (free items; w line width, h text height)
Mechanical 13:
  lines w10: 1137.51,3054.45 cw(c1137.51,3034.76) 1157.19,3034.76 1157.19,3015.08 ; 1137.51,3054.45 ccw(c1137.51,3054.45) 1137.51,3054.45 ; 1137.51,3054.45 999.71,3054.45 999.71,3379.25 1086.32,3379.25 ccw(c1086.32,3418.62) 1125.69,3418.62 1125.69,3463.89 3004.91,3463.89 3004.91,2282.64 1125.69,2282.64 1125.69,2328.07 ccw(c1086.32,2328.07) 1086.32,2367.44 999.71,2367.44 999.71,2995.39 1137.51,2995.39 ccw(c1137.51,3015.08) 1157.19,3015.08 ; 1157.19,3015.08 ccw(c1157.19,3015.08) 1157.19,3015.08